# KiCad board backplane.kicad_pcb (continued)
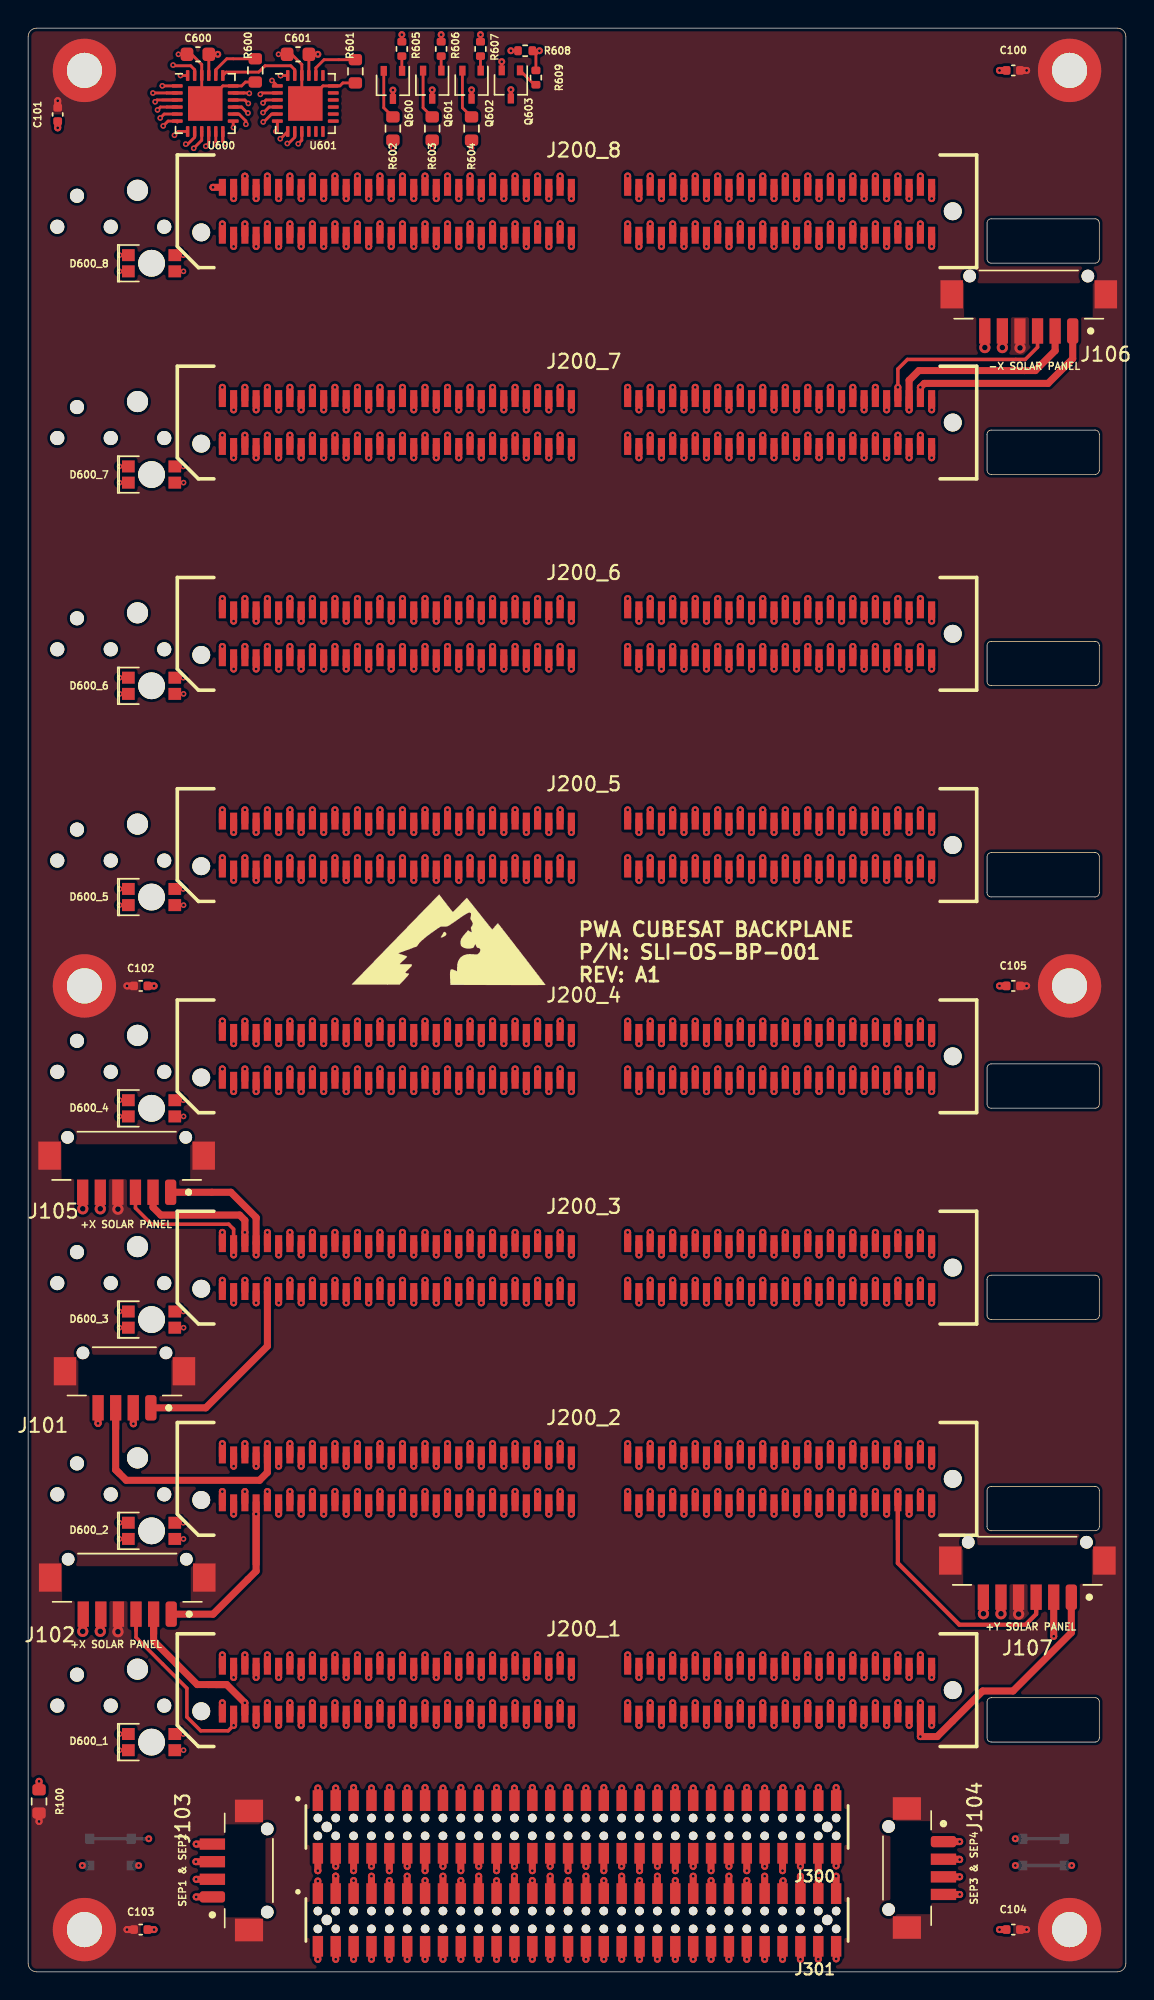
[diagram p0: board, top side]
## Routing (per net, layer and track width the routed paths; a pad name or vN(x,y) marks a point on that pad's centre or on a via; arc(x,y) is an arc through that point) (continued)
/H1-8: length 136
  Top w0.5: v1(21.8,127.5) 21.8,126.6 ; v1(21.8,22.5) 21.8,21.6 ; v1(21.8,37.5) 21.8,36.6 ; v1(21.8,52.5) 21.8,51.6 ; v1(21.8,67.5) 21.8,66.6 ; v1(21.8,82.5) 21.8,81.6 ; v1(21.8,97.5) 21.8,96.6 ; v1(21.8,112.5) 21.8,111.6 ; J300.12 v1(26.93,7.49)
  In3.Cu w0.25: v1(21.8,22.5) 21.8,19.95 22.38,19.38 22.38,18.84 23.18,18.04 23.18,17.64 26.3,14.52 26.3,11.81 ; v1(26.93,7.49) 26.3,8.13 26.3,11.81 ; 26.3,11.81 26.3,13.03
  In3.Cu w0.5: v1(21.8,127.5) 21.8,125.5 22.6,124.65 22.6,123.67 21.8,122.87 v1(21.8,112.5) 21.8,110.5 22.6,109.65 22.6,108.67 21.8,107.87 v1(21.8,97.5) 21.8,95.5 22.6,94.65 22.6,93.67 21.8,92.87 v1(21.8,82.5) 21.8,80.5 22.6,79.65 22.6,78.67 21.8,77.87 v1(21.8,67.5) 21.8,65.5 22.6,64.65 22.6,63.67 21.8,62.87 v1(21.8,52.5) 21.8,50.5 22.6,49.65 22.6,48.67 21.8,47.87 v1(21.8,37.5) 21.8,35.5 22.6,34.65 22.6,33.67 21.8,32.87 v1(21.8,22.5)
/H1-9: length 126.2
  Top w0.5: v1(23.4,124.1) 23.4,123.2 ; v1(23.4,19.1) 23.4,18.2 ; v1(23.4,34.1) 23.4,33.2 ; v1(23.4,49.1) 23.4,48.2 ; v1(23.4,64.1) 23.4,63.2 ; v1(23.4,79.1) 23.4,78.2 ; v1(23.4,94.1) 23.4,93.2 ; v1(23.4,109.1) 23.4,108.2 ; J300.13 v1(28.21,13.08)
  In1.Cu w0.25: v1(28.21,13.08) 25.27,16.02 24.5,16.02 23.4,17.12 v1(23.4,19.1)
  In1.Cu w0.5: v1(23.4,19.1) 23.4,21.3 24.2,22.1 24.2,30.87 23.4,31.67 v1(23.4,34.1) 23.4,36.3 24.2,37.1 24.2,46.5 23.4,47.3 v1(23.4,49.1) 23.4,51.3 24.2,52.1 24.2,60.79 23.4,61.59 v1(23.4,64.1) 23.4,66.3 24.2,67.1 24.2,75.8 23.4,76.6 v1(23.4,79.1) 23.4,81.3 24.2,82.1 24.2,90.82 23.4,91.62 v1(23.4,94.1) 23.4,96.3 24.2,97.1 24.2,105.99 23.4,106.79 v1(23.4,109.1) 23.4,111.3 24.2,112.1 24.2,120.97 23.4,121.77 v1(23.4,124.1)
/H1-10: length 136.4
  Top w0.5: v1(23.4,127.5) 23.4,126.6 ; v1(23.4,22.5) 23.4,21.6 ; v1(23.4,37.5) 23.4,36.6 ; v1(23.4,52.5) 23.4,51.6 ; v1(23.4,67.5) 23.4,66.6 ; v1(23.4,82.5) 23.4,81.6 ; v1(23.4,97.5) 23.4,96.6 ; v1(23.4,112.5) 23.4,111.6 ; J300.14 v1(28.21,7.18)
  In3.Cu w0.25: v1(23.4,22.5) 23.4,19.95 23.98,19.38 23.98,18.9 24.75,18.12 24.75,17.69 27.57,14.87 27.57,12 ; v1(28.21,7.18) 27.57,7.81 27.57,12 ; 27.57,12 27.57,13.09
  In3.Cu w0.5: v1(23.4,127.5) 23.4,125.5 24.2,124.65 24.2,123.67 23.4,122.87 v1(23.4,112.5) 23.4,110.5 24.2,109.65 24.2,108.67 23.4,107.87 v1(23.4,97.5) 23.4,95.5 24.2,94.65 24.2,93.67 23.4,92.87 v1(23.4,82.5) 23.4,80.5 24.2,79.65 24.2,78.67 23.4,77.87 v1(23.4,67.5) 23.4,65.5 24.2,64.65 24.2,63.67 23.4,62.87 v1(23.4,52.5) 23.4,50.5 24.2,49.65 24.2,48.67 23.4,47.87 v1(23.4,37.5) 23.4,35.5 24.2,34.65 24.2,33.67 23.4,32.87 v1(23.4,22.5)
/H1-11: length 125.8
  Top w0.5: v1(25,124.1) 25,123.2 ; v1(25,19.1) 25,18.2 ; v1(25,34.1) 25,33.2 ; v1(25,49.1) 25,48.2 ; v1(25,64.1) 25,63.2 ; v1(25,79.1) 25,78.2 ; v1(25,94.1) 25,93.2 ; v1(25,109.1) 25,108.2 ; J300.15 v1(29.48,13.05)
  In1.Cu w0.25: v1(25,19.1) 25,17.17 29.12,13.05 v1(29.48,13.05)
  In1.Cu w0.5: v1(25,124.1) 25,122.3 25.8,121.5 25.8,112.1 25,111.3 v1(25,109.1) 25,107.3 25.8,106.5 25.8,97.1 25,96.3 v1(25,94.1) 25,92.3 25.8,91.5 25.8,82.1 25,81.3 v1(25,79.1) 25,77.3 25.8,76.5 25.8,67.1 25,66.3 v1(25,64.1) 25,62.3 25.8,61.5 25.8,52.1 25,51.3 v1(25,49.1) 25,47.3 25.8,46.5 25.8,37.1 25,36.3 v1(25,34.1) 25,32.3 25.8,31.5 25.8,22.1 25,21.3 v1(25,19.1)
/H1-12: length 135.3
  Top w0.5: v1(25,127.5) 25,126.6 ; v1(25,22.5) 25,21.6 ; v1(25,37.5) 25,36.6 ; v1(25,52.5) 25,51.6 ; v1(25,67.5) 25,66.6 ; v1(25,82.5) 25,81.6 ; v1(25,97.5) 25,96.6 ; v1(25,112.5) 25,111.6 ; J300.16 v1(29.48,7.49)
  In3.Cu w0.25: v1(25,22.5) 25,19.95 25.58,19.38 25.58,18.76 26.38,17.96 26.38,17.64 28.84,15.18 28.84,12.25 ; v1(29.48,7.49) 28.84,8.13 28.84,12.25 ; 28.84,12.25 28.84,13.03
  In3.Cu w0.5: v1(25,127.5) 25,125.5 25.8,124.65 25.8,123.67 25,122.87 v1(25,112.5) 25,110.5 25.8,109.65 25.8,108.67 25,107.87 v1(25,97.5) 25,95.5 25.8,94.65 25.8,93.67 25,92.87 v1(25,82.5) 25,80.5 25.8,79.65 25.8,78.67 25,77.87 v1(25,67.5) 25,65.5 25.8,64.65 25.8,63.67 25,62.87 v1(25,52.5) 25,50.5 25.8,49.65 25.8,48.67 25,47.87 v1(25,37.5) 25,35.5 25.8,34.65 25.8,33.67 25,32.87 v1(25,22.5)
/H1-13: length 125.5
  Top w0.5: v1(26.6,124.1) 26.6,123.2 ; v1(26.6,19.1) 26.6,18.2 ; v1(26.6,34.1) 26.6,33.2 ; v1(26.6,49.1) 26.6,48.2 ; v1(26.6,64.1) 26.6,63.2 ; v1(26.6,79.1) 26.6,78.2 ; v1(26.6,94.1) 26.6,93.2 ; v1(26.6,109.1) 26.6,108.2 ; J300.17 v1(30.74,13.08)
  In1.Cu w0.25: v1(30.74,13.08) 26.6,17.23 v1(26.6,19.1)
  In1.Cu w0.5: v1(26.6,124.1) 26.6,122.3 27.4,121.5 27.4,112.1 26.6,111.3 v1(26.6,109.1) 26.6,107.3 27.4,106.5 27.4,97.1 26.6,96.3 v1(26.6,94.1) 26.6,92.3 27.4,91.5 27.4,82.1 26.6,81.3 v1(26.6,79.1) 26.6,77.3 27.4,76.5 27.4,67.1 26.6,66.3 v1(26.6,64.1) 26.6,62.3 27.4,61.5 27.4,52.1 26.6,51.3 v1(26.6,49.1) 26.6,47.3 27.4,46.5 27.4,37.1 26.6,36.3 v1(26.6,34.1) 26.6,32.3 27.4,31.5 27.4,22.1 26.6,21.3 v1(26.6,19.1)
/H1-14: length 135.8
  Top w0.5: v1(26.6,127.5) 26.6,126.6 ; v1(26.6,22.5) 26.6,21.6 ; v1(26.6,37.5) 26.6,36.6 ; v1(26.6,52.5) 26.6,51.6 ; v1(26.6,67.5) 26.6,66.6 ; v1(26.6,82.5) 26.6,81.6 ; v1(26.6,97.5) 26.6,96.6 ; v1(26.6,112.5) 26.6,111.6 ; J300.18 v1(30.74,7.18)
  In3.Cu w0.25: v1(26.6,22.5) 26.6,19.95 27.18,19.38 27.18,18.79 27.95,18.01 27.95,17.69 30.11,15.53 30.11,12.32 ; v1(30.74,7.18) 30.11,7.81 30.11,12.32 ; 30.11,12.32 30.11,13.09
  In3.Cu w0.5: v1(26.6,127.5) 26.6,125.5 27.4,124.65 27.4,123.67 26.6,122.87 v1(26.6,112.5) 26.6,110.5 27.4,109.65 27.4,108.67 26.6,107.87 v1(26.6,97.5) 26.6,95.5 27.4,94.65 27.4,93.67 26.6,92.87 v1(26.6,82.5) 26.6,80.5 27.4,79.65 27.4,78.67 26.6,77.87 v1(26.6,67.5) 26.6,65.5 27.4,64.65 27.4,63.67 26.6,62.87 v1(26.6,52.5) 26.6,50.5 27.4,49.65 27.4,48.67 26.6,47.87 v1(26.6,37.5) 26.6,35.5 27.4,34.65 27.4,33.67 26.6,32.87 v1(26.6,22.5)
/H1-16: length 135
  Top w0.5: v1(28.2,127.5) 28.2,126.6 ; v1(28.2,22.5) 28.2,21.6 ; v1(28.2,37.5) 28.2,36.6 ; v1(28.2,52.5) 28.2,51.6 ; v1(28.2,67.5) 28.2,66.6 ; v1(28.2,82.5) 28.2,81.6 ; v1(28.2,97.5) 28.2,96.6 ; v1(28.2,112.5) 28.2,111.6 ; J300.20 v1(32.02,7.49)
  In3.Cu w0.25: v1(28.2,22.5) 28.2,19.95 28.78,19.38 28.78,18.86 29.58,18.06 29.58,17.22 31.38,15.42 31.38,12.32 ; v1(32.02,7.49) 31.38,8.13 31.38,12.32 ; 31.38,12.32 31.38,13.03
  In3.Cu w0.5: v1(28.2,127.5) 28.2,125.5 29,124.65 29,123.67 28.2,122.87 v1(28.2,112.5) 28.2,110.5 29,109.65 29,108.67 28.2,107.87 v1(28.2,97.5) 28.2,95.5 29,94.65 29,93.67 28.2,92.87 v1(28.2,82.5) 28.2,80.5 29,79.65 29,78.67 28.2,77.87 v1(28.2,67.5) 28.2,65.5 29,64.65 29,63.67 28.2,62.87 v1(28.2,52.5) 28.2,50.5 29,49.65 29,48.67 28.2,47.87 v1(28.2,37.5) 28.2,35.5 29,34.65 29,33.67 28.2,32.87 v1(28.2,22.5)
/H1-17: length 125.2
  Top w0.5: v1(29.8,124.1) 29.8,123.2 ; v1(29.8,19.1) 29.8,18.2 ; v1(29.8,34.1) 29.8,33.2 ; v1(29.8,49.1) 29.8,48.2 ; v1(29.8,64.1) 29.8,63.2 ; v1(29.8,79.1) 29.8,78.2 ; v1(29.8,94.1) 29.8,93.2 ; v1(29.8,109.1) 29.8,108.2 ; J300.21 v1(33.29,13.07)
  In1.Cu w0.25: v1(33.29,13.07) 29.8,16.56 v1(29.8,19.1)
  In1.Cu w0.5: v1(29.8,124.1) 29.8,122.3 30.6,121.5 30.6,112.1 29.8,111.3 v1(29.8,109.1) 29.8,107.3 30.6,106.5 30.6,97.1 29.8,96.3 v1(29.8,94.1) 29.8,92.3 30.6,91.5 30.6,82.1 29.8,81.3 v1(29.8,79.1) 29.8,77.3 30.6,76.5 30.6,67.1 29.8,66.3 v1(29.8,64.1) 29.8,62.3 30.6,61.5 30.6,52.1 29.8,51.3 v1(29.8,49.1) 29.8,47.3 30.6,46.5 30.6,37.1 29.8,36.3 v1(29.8,34.1) 29.8,32.3 30.6,31.5 30.6,22.1 29.8,21.3 v1(29.8,19.1)
/H1-18: length 136
  Top w0.5: v1(29.8,127.5) 29.8,126.6 ; v1(29.8,22.5) 29.8,21.6 ; v1(29.8,37.5) 29.8,36.6 ; v1(29.8,52.5) 29.8,51.6 ; v1(29.8,67.5) 29.8,66.6 ; v1(29.8,82.5) 29.8,81.6 ; v1(29.8,97.5) 29.8,96.6 ; v1(29.8,112.5) 29.8,111.6 ; J300.22 v1(33.29,7.18)
  In3.Cu w0.25: v1(29.8,22.5) 29.8,19.95 30.38,19.38 30.38,18.75 31.19,17.94 31.19,17.66 32.65,16.19 32.65,11.81 ; v1(33.29,7.18) 32.65,7.81 32.65,11.81 ; 32.65,11.81 32.65,13.09
  In3.Cu w0.5: v1(29.8,127.5) 29.8,125.5 30.6,124.65 30.6,123.67 29.8,122.87 v1(29.8,112.5) 29.8,110.5 30.6,109.65 30.6,108.67 29.8,107.87 v1(29.8,97.5) 29.8,95.5 30.6,94.65 30.6,93.67 29.8,92.87 v1(29.8,82.5) 29.8,80.5 30.6,79.65 30.6,78.67 29.8,77.87 v1(29.8,67.5) 29.8,65.5 30.6,64.65 30.6,63.67 29.8,62.87 v1(29.8,52.5) 29.8,50.5 30.6,49.65 30.6,48.67 29.8,47.87 v1(29.8,37.5) 29.8,35.5 30.6,34.65 30.6,33.67 29.8,32.87 v1(29.8,22.5)
/H1-19: length 125.1
  Top w0.5: v1(31.4,124.1) 31.4,123.2 ; v1(31.4,19.1) 31.4,18.2 ; v1(31.4,34.1) 31.4,33.2 ; v1(31.4,49.1) 31.4,48.2 ; v1(31.4,64.1) 31.4,63.2 ; v1(31.4,79.1) 31.4,78.2 ; v1(31.4,94.1) 31.4,93.2 ; v1(31.4,109.1) 31.4,108.2 ; J300.23 v1(34.55,13.05)
  In1.Cu w0.25: v1(31.4,19.1) 31.4,16.2 v1(34.55,13.05)
  In1.Cu w0.5: v1(31.4,124.1) 31.4,122.3 32.2,121.5 32.2,112.1 31.4,111.3 v1(31.4,109.1) 31.4,107.3 32.2,106.5 32.2,97.1 31.4,96.3 v1(31.4,94.1) 31.4,92.3 32.2,91.5 32.2,82.1 31.4,81.3 v1(31.4,79.1) 31.4,77.3 32.2,76.5 32.2,67.1 31.4,66.3 v1(31.4,64.1) 31.4,62.3 32.2,61.5 32.2,52.1 31.4,51.3 v1(31.4,49.1) 31.4,47.3 32.2,46.5 32.2,37.1 31.4,36.3 v1(31.4,34.1) 31.4,32.3 32.2,31.5 32.2,22.1 31.4,21.3 v1(31.4,19.1)
/H1-20: length 134.9
  Top w0.5: v1(31.4,127.5) 31.4,126.6 ; v1(31.4,22.5) 31.4,21.6 ; v1(31.4,37.5) 31.4,36.6 ; v1(31.4,52.5) 31.4,51.6 ; v1(31.4,67.5) 31.4,66.6 ; v1(31.4,82.5) 31.4,81.6 ; v1(31.4,97.5) 31.4,96.6 ; v1(31.4,112.5) 31.4,111.6 ; J300.24 v1(34.55,7.49)
  In3.Cu w0.25: v1(31.4,22.5) 31.4,19.95 31.98,19.38 31.98,18.83 32.78,18.03 32.78,17.67 33.92,16.53 33.92,12.13 ; v1(34.55,7.49) 33.92,8.13 33.92,12.13 ; 33.92,12.13 33.92,13.03
  In3.Cu w0.5: v1(31.4,127.5) 31.4,125.5 32.2,124.65 32.2,123.67 31.4,122.87 v1(31.4,112.5) 31.4,110.5 32.2,109.65 32.2,108.67 31.4,107.87 v1(31.4,97.5) 31.4,95.5 32.2,94.65 32.2,93.67 31.4,92.87 v1(31.4,82.5) 31.4,80.5 32.2,79.65 32.2,78.67 31.4,77.87 v1(31.4,67.5) 31.4,65.5 32.2,64.65 32.2,63.67 31.4,62.87 v1(31.4,52.5) 31.4,50.5 32.2,49.65 32.2,48.67 31.4,47.87 v1(31.4,37.5) 31.4,35.5 32.2,34.65 32.2,33.67 31.4,32.87 v1(31.4,22.5)
/H1-21: length 136.2
  Top w0.2: R602.2 v2(25.92,129.49)
  Top w0.5: v1(33,124.1) 33,123.2 ; v1(33,19.1) 33,18.2 ; v1(33,34.1) 33,33.2 ; v1(33,49.1) 33,48.2 ; v1(33,64.1) 33,63.2 ; v1(33,79.1) 33,78.2 ; v1(33,94.1) 33,93.2 ; v1(33,109.1) 33,108.2 ; J300.25 v1(35.82,13.08)
  In1.Cu w0.203: v1(33,124.1) 33,125.92 31.98,126.94 27.94,126.94 25.92,128.97 v2(25.92,129.49)
  In1.Cu w0.25: v1(35.82,13.08) 33,15.91 v1(33,19.1)
  In1.Cu w0.5: v1(33,124.1) 33,122.3 33.8,121.5 33.8,112.1 33,111.3 v1(33,109.1) 33,107.3 33.8,106.5 33.8,97.1 33,96.3 v1(33,94.1) 33,92.3 33.8,91.5 33.8,82.1 33,81.3 v1(33,79.1) 33,77.3 33.8,76.5 33.8,67.1 33,66.3 v1(33,64.1) 33,62.3 33.8,61.5 33.8,52.1 33,51.3 v1(33,49.1) 33,47.3 33.8,46.5 33.8,37.1 33,36.3 v1(33,34.1) 33,32.3 33.8,31.5 33.8,22.1 33,21.3 v1(33,19.1)
/H1-22: length 134.9
  Top w0.5: v1(33,127.5) 33,126.6 ; v1(33,22.5) 33,21.6 ; v1(33,37.5) 33,36.6 ; v1(33,52.5) 33,51.6 ; v1(33,67.5) 33,66.6 ; v1(33,82.5) 33,81.6 ; v1(33,97.5) 33,96.6 ; v1(33,112.5) 33,111.6 ; J300.26 v1(35.82,7.18)
  In3.Cu w0.25: v1(33,22.5) 33,19.95 33.58,19.38 33.58,18.96 34.38,18.16 34.38,17.64 35.19,16.83 35.19,12.64 ; v1(35.82,7.18) 35.19,7.81 35.19,12.64 ; 35.19,12.64 35.19,13.09
  In3.Cu w0.5: v1(33,127.5) 33,125.5 33.8,124.65 33.8,123.67 33,122.87 v1(33,112.5) 33,110.5 33.8,109.65 33.8,108.67 33,107.87 v1(33,97.5) 33,95.5 33.8,94.65 33.8,93.67 33,92.87 v1(33,82.5) 33,80.5 33.8,79.65 33.8,78.67 33,77.87 v1(33,67.5) 33,65.5 33.8,64.65 33.8,63.67 33,62.87 v1(33,52.5) 33,50.5 33.8,49.65 33.8,48.67 33,47.87 v1(33,37.5) 33,35.5 33.8,34.65 33.8,33.67 33,32.87 v1(33,22.5)
/H1-23: length 135
  Top w0.2: R603.2 v2(28.71,129.49)
  Top w0.5: v1(34.6,124.1) 34.6,123.2 ; v1(34.6,19.1) 34.6,18.2 ; v1(34.6,34.1) 34.6,33.2 ; v1(34.6,49.1) 34.6,48.2 ; v1(34.6,64.1) 34.6,63.2 ; v1(34.6,79.1) 34.6,78.2 ; v1(34.6,94.1) 34.6,93.2 ; v1(34.6,109.1) 34.6,108.2 ; J300.27 v1(37.1,13.05)
  In1.Cu w0.203: v2(28.71,129.49) 29.94,128.27 33.06,128.27 33.76,127.56 33.76,126.98 34.6,126.14 v1(34.6,124.1)
  In1.Cu w0.25: v1(34.6,19.1) 34.6,15.54 v1(37.1,13.05)
  In1.Cu w0.5: v1(34.6,124.1) 34.6,122.3 35.4,121.5 35.4,112.1 34.6,111.3 v1(34.6,109.1) 34.6,107.3 35.4,106.5 35.4,97.1 34.6,96.3 v1(34.6,94.1) 34.6,92.3 35.4,91.5 35.4,82.1 34.6,81.3 v1(34.6,79.1) 34.6,77.3 35.4,76.5 35.4,67.1 34.6,66.3 v1(34.6,64.1) 34.6,62.3 35.4,61.5 35.4,52.1 34.6,51.3 v1(34.6,49.1) 34.6,47.3 35.4,46.5 35.4,37.1 34.6,36.3 v1(34.6,34.1) 34.6,32.3 35.4,31.5 35.4,22.1 34.6,21.3 v1(34.6,19.1)
/H1-24: length 134.6
  Top w0.5: v1(34.6,127.5) 34.6,126.6 ; v1(34.6,22.5) 34.6,21.6 ; v1(34.6,37.5) 34.6,36.6 ; v1(34.6,52.5) 34.6,51.6 ; v1(34.6,67.5) 34.6,66.6 ; v1(34.6,82.5) 34.6,81.6 ; v1(34.6,97.5) 34.6,96.6 ; v1(34.6,112.5) 34.6,111.6 ; J300.28 v1(37.1,7.49)
  In3.Cu w0.25: v1(34.6,22.5) 34.6,19.95 35.18,19.38 35.18,18.58 36.46,17.3 36.46,12.13 ; v1(37.1,7.49) 36.46,8.13 36.46,12.13 ; 36.46,12.13 36.46,13.03
  In3.Cu w0.5: v1(34.6,127.5) 34.6,125.5 35.4,124.65 35.4,123.67 34.6,122.87 v1(34.6,112.5) 34.6,110.5 35.4,109.65 35.4,108.67 34.6,107.87 v1(34.6,97.5) 34.6,95.5 35.4,94.65 35.4,93.67 34.6,92.87 v1(34.6,82.5) 34.6,80.5 35.4,79.65 35.4,78.67 34.6,77.87 v1(34.6,67.5) 34.6,65.5 35.4,64.65 35.4,63.67 34.6,62.87 v1(34.6,52.5) 34.6,50.5 35.4,49.65 35.4,48.67 34.6,47.87 v1(34.6,37.5) 34.6,35.5 35.4,34.65 35.4,33.67 34.6,32.87 v1(34.6,22.5)
/H1-25: length 124.9
  Top w0.5: v1(36.2,124.1) 36.2,123.2 ; v1(36.2,19.1) 36.2,18.2 ; v1(36.2,34.1) 36.2,33.2 ; v1(36.2,49.1) 36.2,48.2 ; v1(36.2,64.1) 36.2,63.2 ; v1(36.2,79.1) 36.2,78.2 ; v1(36.2,94.1) 36.2,93.2 ; v1(36.2,109.1) 36.2,108.2 ; J300.29 v1(38.37,13.08)
  In1.Cu w0.25: v1(36.2,19.1) 36.2,15.25 v1(38.37,13.08)
  In1.Cu w0.5: v1(36.2,19.1) 36.2,21.3 37,22.1 37,30.93 36.2,31.73 v1(36.2,34.1) 36.2,36.3 37,37.1 37,45.98 36.2,46.78 36.2,49.15 ; v1(36.2,79.1) 36.2,81.3 37,82.1 37,90.96 36.2,91.76 36.2,94.12 ; v1(36.2,64.1) 36.2,66.3 37,67.1 37,76.03 36.2,76.83 36.2,79.2 ; v1(36.2,49.1) 36.2,51.3 37,52.1 37,61.01 36.2,61.81 36.2,64.17 ; 36.2,109.12 36.2,106.76 37,105.96 37,97.1 36.2,96.3 v1(36.2,94.1) ; v1(36.2,109.1) 36.2,111.3 37,112.1 37,120.93 36.2,121.73 v1(36.2,124.1)
/H1-26: length 134.9
  Top w0.5: v1(36.2,127.5) 36.2,126.6 ; v1(36.2,22.5) 36.2,21.6 ; v1(36.2,37.5) 36.2,36.6 ; v1(36.2,52.5) 36.2,51.6 ; v1(36.2,67.5) 36.2,66.6 ; v1(36.2,82.5) 36.2,81.6 ; v1(36.2,97.5) 36.2,96.6 ; v1(36.2,112.5) 36.2,111.6 ; J300.30 v1(38.37,7.18)
  In3.Cu w0.25: v1(36.2,22.5) 36.2,19.95 36.78,19.38 36.78,18.8 37.73,17.84 37.73,12.38 ; v1(38.37,7.18) 37.73,7.81 37.73,12.38 ; 37.73,12.38 37.73,13.09
  In3.Cu w0.5: v1(36.2,127.5) 36.2,125.5 37,124.65 37,123.67 36.2,122.87 v1(36.2,112.5) 36.2,110.5 37,109.65 37,108.67 36.2,107.87 v1(36.2,97.5) 36.2,95.5 37,94.65 37,93.67 36.2,92.87 v1(36.2,82.5) 36.2,80.5 37,79.65 37,78.67 36.2,77.87 v1(36.2,67.5) 36.2,65.5 37,64.65 37,63.67 36.2,62.87 v1(36.2,52.5) 36.2,50.5 37,49.65 37,48.67 36.2,47.87 v1(36.2,37.5) 36.2,35.5 37,34.65 37,33.67 36.2,32.87 v1(36.2,22.5)
/H1-27: length 124.8
  Top w0.5: v1(37.8,124.1) 37.8,123.2 ; v1(37.8,19.1) 37.8,18.2 ; v1(37.8,34.1) 37.8,33.2 ; v1(37.8,49.1) 37.8,48.2 ; v1(37.8,64.1) 37.8,63.2 ; v1(37.8,79.1) 37.8,78.2 ; v1(37.8,94.1) 37.8,93.2 ; v1(37.8,109.1) 37.8,108.2 ; J300.31 v1(39.63,13.05)
  In1.Cu w0.25: v1(37.8,19.1) 37.8,14.88 v1(39.63,13.05)
  In1.Cu w0.5: v1(37.8,109.1) 37.8,111.3 38.6,112.1 38.6,120.73 37.8,121.53 v1(37.8,124.1) ; v1(37.8,19.1) 37.8,21.3 38.6,22.1 38.6,30.73 37.8,31.53 v1(37.8,34.1) 37.8,36.3 38.6,37.1 38.6,45.78 37.8,46.58 37.8,49.15 ; v1(37.8,94.1) 37.8,96.3 38.6,97.1 38.6,105.76 37.8,106.56 37.8,109.12 ; v1(37.8,79.1) 37.8,81.3 38.6,82.1 38.6,90.76 37.8,91.56 37.8,94.12 ; v1(37.8,64.1) 37.8,66.3 38.6,67.1 38.6,75.83 37.8,76.63 37.8,79.2 ; v1(37.8,49.1) 37.8,51.3 38.6,52.1 38.6,60.81 37.8,61.61 37.8,64.17
/H1-28: length 133.6
  Top w0.5: v1(37.8,127.5) 37.8,126.6 ; v1(37.8,22.5) 37.8,21.6 ; v1(37.8,37.5) 37.8,36.6 ; v1(37.8,52.5) 37.8,51.6 ; v1(37.8,67.5) 37.8,66.6 ; v1(37.8,82.5) 37.8,81.6 ; v1(37.8,97.5) 37.8,96.6 ; v1(37.8,112.5) 37.8,111.6 ; J300.32 v1(39.63,7.49)
  In3.Cu w0.25: v1(39.63,7.49) 39,8.13 39,17.04 39.18,17.22 39.18,18.58 37.8,19.95 v1(37.8,22.5)
  In3.Cu w0.5: v1(37.8,127.5) 37.8,125.5 38.6,124.65 38.6,123.67 37.8,122.87 v1(37.8,112.5) 37.8,110.5 38.6,109.65 38.6,108.67 37.8,107.87 v1(37.8,97.5) 37.8,95.5 38.6,94.65 38.6,93.67 37.8,92.87 v1(37.8,82.5) 37.8,80.5 38.6,79.65 38.6,78.67 37.8,77.87 v1(37.8,67.5) 37.8,65.5 38.6,64.65 38.6,63.67 37.8,62.87 v1(37.8,52.5) 37.8,50.5 38.6,49.65 38.6,48.67 37.8,47.87 v1(37.8,37.5) 37.8,35.5 38.6,34.65 38.6,33.67 37.8,32.87 v1(37.8,22.5)
/H1-30: length 135.1
  Top w0.5: v1(42.6,127.5) 42.6,126.6 ; v1(42.6,22.5) 42.6,21.6 ; v1(42.6,37.5) 42.6,36.6 ; v1(42.6,52.5) 42.6,51.6 ; v1(42.6,67.5) 42.6,66.6 ; v1(42.6,82.5) 42.6,81.6 ; v1(42.6,97.5) 42.6,96.6 ; v1(42.6,112.5) 42.6,111.6 ; J300.34 v1(40.9,7.18)
  In3.Cu w0.25: v1(42.6,22.5) 42.6,19.95 43.18,19.38 43.18,18.18 42.6,17.6 ; 42.6,17.6 42.53,17.53 ; 42.6,17.6 40.27,15.27 40.27,7.81 v1(40.9,7.18)
  In3.Cu w0.5: v1(42.6,127.5) 42.6,125.5 43.4,124.65 43.4,123.67 42.6,122.87 v1(42.6,112.5) 42.6,110.5 43.4,109.65 43.4,108.67 42.6,107.87 v1(42.6,97.5) 42.6,95.5 43.4,94.65 43.4,93.67 42.6,92.87 v1(42.6,82.5) 42.6,80.5 43.4,79.65 43.4,78.67 42.6,77.87 v1(42.6,67.5) 42.6,65.5 43.4,64.65 43.4,63.67 42.6,62.87 v1(42.6,52.5) 42.6,50.5 43.4,49.65 43.4,48.67 42.6,47.87 v1(42.6,37.5) 42.6,35.5 43.4,34.65 43.4,33.67 42.6,32.87 v1(42.6,22.5)
/H1-31: length 124.6
  Top w0.5: v1(44.2,124.1) 44.2,123.2 ; v1(44.2,19.1) 44.2,18.2 ; v1(44.2,34.1) 44.2,33.2 ; v1(44.2,49.1) 44.2,48.2 ; v1(44.2,64.1) 44.2,63.2 ; v1(44.2,79.1) 44.2,78.2 ; v1(44.2,94.1) 44.2,93.2 ; v1(44.2,109.1) 44.2,108.2 ; J300.35 v1(42.18,13.05)
  In1.Cu w0.25: v1(42.18,13.05) 44.2,15.07 v1(44.2,19.1)
  In1.Cu w0.5: v1(44.2,124.1) 44.2,122.3 45,121.5 45,112.1 44.2,111.3 v1(44.2,109.1) 44.2,107.3 45,106.5 45,97.1 44.2,96.3 v1(44.2,94.1) 44.2,92.3 45,91.5 45,82.1 44.2,81.3 v1(44.2,79.1) 44.2,77.3 45,76.5 45,67.1 44.2,66.3 v1(44.2,64.1) 44.2,62.3 45,61.5 45,52.1 44.2,51.3 v1(44.2,49.1) 44.2,47.3 45,46.5 45,37.1 44.2,36.3 v1(44.2,34.1) 44.2,32.3 45,31.5 45,22.1 44.2,21.3 v1(44.2,19.1)
/H1-33: length 124.7
  Top w0.5: v1(45.8,124.1) 45.8,123.2 ; v1(45.8,19.1) 45.8,18.2 ; v1(45.8,34.1) 45.8,33.2 ; v1(45.8,49.1) 45.8,48.2 ; v1(45.8,64.1) 45.8,63.2 ; v1(45.8,79.1) 45.8,78.2 ; v1(45.8,94.1) 45.8,93.2 ; v1(45.8,109.1) 45.8,108.2 ; J300.37 v1(43.45,13.08)
  In1.Cu w0.25: v1(45.8,19.1) 45.8,15.44 v1(43.45,13.08)
  In1.Cu w0.5: v1(45.8,124.1) 45.8,122.3 46.6,121.5 46.6,112.1 45.8,111.3 v1(45.8,109.1) 45.8,107.3 46.6,106.5 46.6,97.1 45.8,96.3 v1(45.8,94.1) 45.8,92.3 46.6,91.5 46.6,82.1 45.8,81.3 v1(45.8,79.1) 45.8,77.3 46.6,76.5 46.6,67.1 45.8,66.3 v1(45.8,64.1) 45.8,62.3 46.6,61.5 46.6,52.1 45.8,51.3 v1(45.8,49.1) 45.8,47.3 46.6,46.5 46.6,37.1 45.8,36.3 v1(45.8,34.1) 45.8,32.3 46.6,31.5 46.6,22.1 45.8,21.3 v1(45.8,19.1)
/H1-34: length 135.3
  Top w0.5: v1(45.8,127.5) 45.8,126.6 ; v1(45.8,22.5) 45.8,21.6 ; v1(45.8,37.5) 45.8,36.6 ; v1(45.8,52.5) 45.8,51.6 ; v1(45.8,67.5) 45.8,66.6 ; v1(45.8,82.5) 45.8,81.6 ; v1(45.8,97.5) 45.8,96.6 ; v1(45.8,112.5) 45.8,111.6 ; J300.38 v1(43.45,7.18)
  In3.Cu w0.25: v1(45.8,22.5) 45.8,19.95 46.38,19.38 46.38,18.62 46.02,18.26 46.02,17.67 42.81,14.46 42.81,7.81 v1(43.45,7.18)
  In3.Cu w0.5: v1(45.8,127.5) 45.8,125.5 46.6,124.65 46.6,123.67 45.8,122.87 v1(45.8,112.5) 45.8,110.5 46.6,109.65 46.6,108.67 45.8,107.87 v1(45.8,97.5) 45.8,95.5 46.6,94.65 46.6,93.67 45.8,92.87 v1(45.8,82.5) 45.8,80.5 46.6,79.65 46.6,78.67 45.8,77.87 v1(45.8,67.5) 45.8,65.5 46.6,64.65 46.6,63.67 45.8,62.87 v1(45.8,52.5) 45.8,50.5 46.6,49.65 46.6,48.67 45.8,47.87 v1(45.8,37.5) 45.8,35.5 46.6,34.65 46.6,33.67 45.8,32.87 v1(45.8,22.5)
/H1-35: length 124.9
  Top w0.5: v1(47.4,124.1) 47.4,123.2 ; v1(47.4,19.1) 47.4,18.2 ; v1(47.4,34.1) 47.4,33.2 ; v1(47.4,49.1) 47.4,48.2 ; v1(47.4,64.1) 47.4,63.2 ; v1(47.4,79.1) 47.4,78.2 ; v1(47.4,94.1) 47.4,93.2 ; v1(47.4,109.1) 47.4,108.2 ; J300.39 v1(44.71,13.05)
  In1.Cu w0.25: v1(44.71,13.05) 47.4,15.73 v1(47.4,19.1)
  In1.Cu w0.5: v1(47.4,124.1) 47.4,122.3 48.2,121.5 48.2,112.1 47.4,111.3 v1(47.4,109.1) 47.4,107.3 48.2,106.5 48.2,97.1 47.4,96.3 v1(47.4,94.1) 47.4,92.3 48.2,91.5 48.2,82.1 47.4,81.3 v1(47.4,79.1) 47.4,77.3 48.2,76.5 48.2,67.1 47.4,66.3 v1(47.4,64.1) 47.4,62.3 48.2,61.5 48.2,52.1 47.4,51.3 v1(47.4,49.1) 47.4,47.3 48.2,46.5 48.2,37.1 47.4,36.3 v1(47.4,34.1) 47.4,32.3 48.2,31.5 48.2,22.1 47.4,21.3 v1(47.4,19.1)
/H1-36: length 134.8
  Top w0.5: v1(47.4,127.5) 47.4,126.6 ; v1(47.4,22.5) 47.4,21.6 ; v1(47.4,37.5) 47.4,36.6 ; v1(47.4,52.5) 47.4,51.6 ; v1(47.4,67.5) 47.4,66.6 ; v1(47.4,82.5) 47.4,81.6 ; v1(47.4,97.5) 47.4,96.6 ; v1(47.4,112.5) 47.4,111.6 ; J300.40 v1(44.71,7.5)
  In3.Cu w0.25: v1(47.4,22.5) 47.4,19.95 47.98,19.38 47.98,18.63 47.62,18.27 47.62,17.67 44.08,14.12 44.08,8.13 44.71,7.49
  In3.Cu w0.5: v1(47.4,127.5) 47.4,125.5 48.2,124.65 48.2,123.67 47.4,122.87 v1(47.4,112.5) 47.4,110.5 48.2,109.65 48.2,108.67 47.4,107.87 v1(47.4,97.5) 47.4,95.5 48.2,94.65 48.2,93.67 47.4,92.87 v1(47.4,82.5) 47.4,80.5 48.2,79.65 48.2,78.67 47.4,77.87 v1(47.4,67.5) 47.4,65.5 48.2,64.65 48.2,63.67 47.4,62.87 v1(47.4,52.5) 47.4,50.5 48.2,49.65 48.2,48.67 47.4,47.87 v1(47.4,37.5) 47.4,35.5 48.2,34.65 48.2,33.67 47.4,32.87 v1(47.4,22.5)
/H1-37: length 125
  Top w0.5: v1(49,124.1) 49,123.2 ; v1(49,19.1) 49,18.2 ; v1(49,34.1) 49,33.2 ; v1(49,49.1) 49,48.2 ; v1(49,64.1) 49,63.2 ; v1(49,79.1) 49,78.2 ; v1(49,94.1) 49,93.2 ; v1(49,109.1) 49,108.2 ; J300.41 v1(45.99,13.08)
  In1.Cu w0.25: v1(45.99,13.08) 49,16.1 v1(49,19.1)
  In1.Cu w0.5: v1(49,124.1) 49,122.3 49.8,121.5 49.8,112.1 49,111.3 v1(49,109.1) 49,107.3 49.8,106.5 49.8,97.1 49,96.3 v1(49,94.1) 49,92.3 49.8,91.5 49.8,82.1 49,81.3 v1(49,79.1) 49,77.3 49.8,76.5 49.8,67.1 49,66.3 v1(49,64.1) 49,62.3 49.8,61.5 49.8,52.1 49,51.3 v1(49,49.1) 49,47.3 49.8,46.5 49.8,37.1 49,36.3 v1(49,34.1) 49,32.3 49.8,31.5 49.8,22.1 49,21.3 v1(49,19.1)
/H1-38: length 135.5
  Top w0.5: v1(49,127.5) 49,126.6 ; v1(49,22.5) 49,21.6 ; v1(49,37.5) 49,36.6 ; v1(49,52.5) 49,51.6 ; v1(49,67.5) 49,66.6 ; v1(49,82.5) 49,81.6 ; v1(49,97.5) 49,96.6 ; v1(49,112.5) 49,111.6 ; J300.42 v1(45.99,7.18)
  In3.Cu w0.25: v1(49,22.5) 49,19.95 49.58,19.38 49.58,18.64 49.22,18.29 49.22,17.67 45.35,13.8 45.35,7.81 v1(45.99,7.18)
  In3.Cu w0.5: v1(49,127.5) 49,125.5 49.8,124.65 49.8,123.67 49,122.87 v1(49,112.5) 49,110.5 49.8,109.65 49.8,108.67 49,107.87 v1(49,97.5) 49,95.5 49.8,94.65 49.8,93.67 49,92.87 v1(49,82.5) 49,80.5 49.8,79.65 49.8,78.67 49,77.87 v1(49,67.5) 49,65.5 49.8,64.65 49.8,63.67 49,62.87 v1(49,52.5) 49,50.5 49.8,49.65 49.8,48.67 49,47.87 v1(49,37.5) 49,35.5 49.8,34.65 49.8,33.67 49,32.87 v1(49,22.5)
/H1-39: length 125.2
  Top w0.5: v1(50.6,124.1) 50.6,123.2 ; v1(50.6,19.1) 50.6,18.2 ; v1(50.6,34.1) 50.6,33.2 ; v1(50.6,49.1) 50.6,48.2 ; v1(50.6,64.1) 50.6,63.2 ; v1(50.6,79.1) 50.6,78.2 ; v1(50.6,94.1) 50.6,93.2 ; v1(50.6,109.1) 50.6,108.2 ; J300.43 v1(47.26,13.05)
  In1.Cu w0.25: v1(47.26,13.05) 50.6,16.39 v1(50.6,19.1)
  In1.Cu w0.5: v1(50.6,124.1) 50.6,122.3 51.4,121.5 51.4,112.1 50.6,111.3 v1(50.6,109.1) 50.6,107.3 51.4,106.5 51.4,97.1 50.6,96.3 v1(50.6,94.1) 50.6,92.3 51.4,91.5 51.4,82.1 50.6,81.3 v1(50.6,79.1) 50.6,77.3 51.4,76.5 51.4,67.1 50.6,66.3 v1(50.6,64.1) 50.6,62.3 51.4,61.5 51.4,52.1 50.6,51.3 v1(50.6,49.1) 50.6,47.3 51.4,46.5 51.4,37.1 50.6,36.3 v1(50.6,34.1) 50.6,32.3 51.4,31.5 51.4,22.1 50.6,21.3 v1(50.6,19.1)
/H1-40: length 135.1
  Top w0.5: v1(50.6,127.5) 50.6,126.6 ; v1(50.6,22.5) 50.6,21.6 ; v1(50.6,37.5) 50.6,36.6 ; v1(50.6,52.5) 50.6,51.6 ; v1(50.6,67.5) 50.6,66.6 ; v1(50.6,82.5) 50.6,81.6 ; v1(50.6,97.5) 50.6,96.6 ; v1(50.6,112.5) 50.6,111.6 ; J300.44 v1(47.26,7.49)
  In3.Cu w0.25: v1(50.6,22.5) 50.6,19.95 51.18,19.38 51.18,18.66 50.82,18.3 50.82,17.47 46.62,13.27 46.62,8.13 v1(47.26,7.49)
  In3.Cu w0.5: v1(50.6,127.5) 50.6,125.5 51.4,124.65 51.4,123.67 50.6,122.87 v1(50.6,112.5) 50.6,110.5 51.4,109.65 51.4,108.67 50.6,107.87 v1(50.6,97.5) 50.6,95.5 51.4,94.65 51.4,93.67 50.6,92.87 v1(50.6,82.5) 50.6,80.5 51.4,79.65 51.4,78.67 50.6,77.87 v1(50.6,67.5) 50.6,65.5 51.4,64.65 51.4,63.67 50.6,62.87 v1(50.6,52.5) 50.6,50.5 51.4,49.65 51.4,48.67 50.6,47.87 v1(50.6,37.5) 50.6,35.5 51.4,34.65 51.4,33.67 50.6,32.87 v1(50.6,22.5)
/H1-41: length 125.3
  Top w0.5: v1(52.2,124.1) 52.2,123.2 ; v1(52.2,19.1) 52.2,18.2 ; v1(52.2,34.1) 52.2,33.2 ; v1(52.2,49.1) 52.2,48.2 ; v1(52.2,64.1) 52.2,63.2 ; v1(52.2,79.1) 52.2,78.2 ; v1(52.2,94.1) 52.2,93.2 ; v1(52.2,109.1) 52.2,108.2 ; J300.45 v1(48.52,13.08)
  In1.Cu w0.25: v1(52.2,19.1) 52.2,16.76 v1(48.52,13.08)
  In1.Cu w0.5: v1(52.2,124.1) 52.2,122.3 53,121.5 53,112.1 52.2,111.3 v1(52.2,109.1) 52.2,107.3 53,106.5 53,97.1 52.2,96.3 v1(52.2,94.1) 52.2,92.3 53,91.5 53,82.1 52.2,81.3 v1(52.2,79.1) 52.2,77.3 53,76.5 53,67.1 52.2,66.3 v1(52.2,64.1) 52.2,62.3 53,61.5 53,52.1 52.2,51.3 v1(52.2,49.1) 52.2,47.3 53,46.5 53,37.1 52.2,36.3 v1(52.2,34.1) 52.2,32.3 53,31.5 53,22.1 52.2,21.3 v1(52.2,19.1)
/H1-42: length 135.9
  Top w0.5: v1(52.2,127.5) 52.2,126.6 ; v1(52.2,22.5) 52.2,21.6 ; v1(52.2,37.5) 52.2,36.6 ; v1(52.2,52.5) 52.2,51.6 ; v1(52.2,67.5) 52.2,66.6 ; v1(52.2,82.5) 52.2,81.6 ; v1(52.2,97.5) 52.2,96.6 ; v1(52.2,112.5) 52.2,111.6 ; J300.46 v1(48.52,7.18)
  In3.Cu w0.25: v1(52.2,22.5) 52.2,19.95 52.78,19.38 52.78,18.61 52.42,18.25 52.42,17.67 51.68,16.92 51.51,16.92 47.89,13.3 47.89,7.81 v1(48.52,7.18)